# Altium PCB AJMG 2550XD Silver Jubilee - wersja prywatna.PcbDoc (part 1 of 2) (continued)
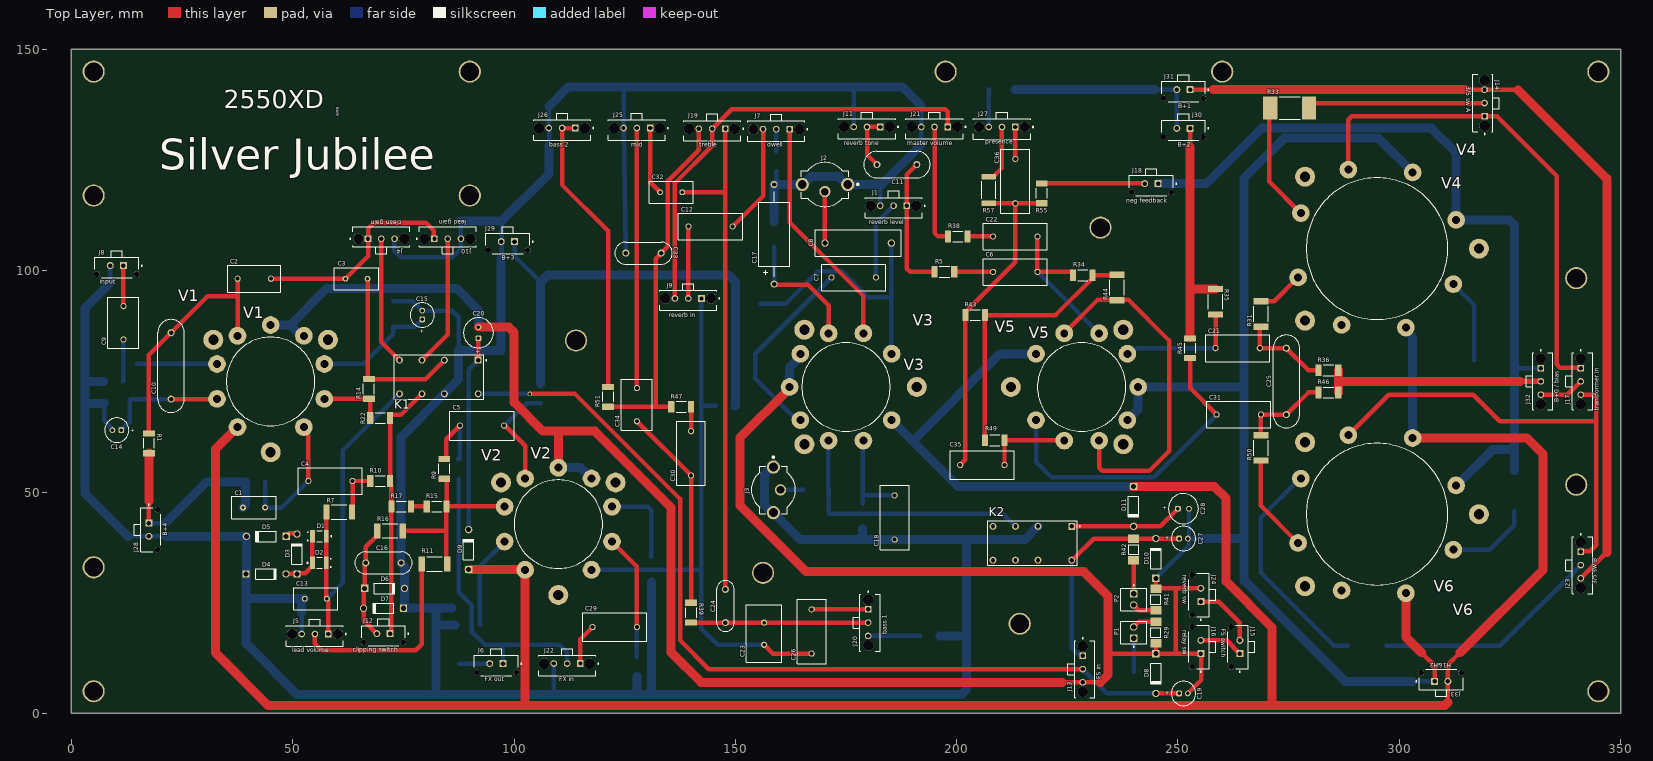
[diagram p0: Top Layer view]
## Part data (continued)
C9: library part 890303422005CS, "CAP FILM THT 10.5x6 0.047uF 630V 10%", Capacitance=47nF, Capacitance Tolerance=+/-10%, Insulation Resistance=9000MOhm, Manufacturer="Wurth Elektronik", Operating Temperature="-40 to +85degC", Rate of Voltage Rise=100V/us, Rated Voltage=630VDC, ComponentLink1Description=Manufacturer, ComponentLink1URL=http://www.we-online.de, ComponentLink2Description=Datasheet, ComponentLink2URL=https://www.we-online.com/catalog/datasheet/890303422005CS.pdf, Dissipation Factor@1kHz=1%, Dissipation Factor@10kHz=1.4%, Dissipation Factor@100kHz=2.2%, Height=12mm, Length=10.5mm, Manufacturer Part Number=890303422005CS, Mounting Technology=THT, Packaging=Carton, Pitch=7.5mm, Published Date="May 2020", Technical Reference=MPSP075473K630DCPP45004, Width=6mm
C10 C25: library part CDV19EF470JO3F, "CAP MICA THT 16.3x4.8 47pF 1kV 5%", Capacitance=47pF, Case/Package=Radial, Dielectric Material=Mica, Manufacturer="Cornell Dubilier", Max Operating Temperature=125°C, Min Operating Temperature=-55°C, Package Quantity=50, Supplier Part Number 1=598-CDV19EF470JO3F, Temperature Coefficient=100ppm/°C, Tolerance=5%, Voltage Rating=1kV, Category="Mica Capacitors", ComponentLink1Description=https://datasheet.ciiva.com/254/cd10-254226.pdf?src-supplier=Digi-Key, ComponentLink1URL=https://datasheet.ciiva.com/254/cd10-254226.pdf?src-supplier=Digi-Key, ComponentLink2Description=https://datasheet.ciiva.com/22709/1731345-22709964.pdf?src-supplier=Element14, ComponentLink2URL=https://datasheet.ciiva.com/22709/1731345-22709964.pdf?src-supplier=Element14, Features="General Purpose", Height=12.7mm, Height - Seated (Max)=0.5inch, Lead Pitch=0.343inch, Length=0.642inch, Manufacturer Part Number=CDV19EF470JO3F, Mount="Through Hole", Packaging=Bulk, Pricing 1="1=3,59000, 10=2,90000, 50=2,61000, 100=1,97000, 1000=1,56000, 10000=1,47000 (USD)", REACH SVHC="No SVHC", RoHS=Yes, RoHS Compliant=Yes, Series=CDV19, Stock 1=241, Supplier 1=Mouser, Termination=Radial, Voltage Rating (DC)=1kV, Width=0.189inch, Working Voltage=1kV
C11: library part CD19FD501JO3F, "CAP MICA THT 16.3x5 500pF 500V 5%", Capacitance=500pF, Case/Package=Radial, Dielectric Material=Mica, Manufacturer="Cornell Dubilier", Max Operating Temperature=125°C, Min Operating Temperature=-55°C, Package Quantity=50, Supplier Part Number 1=598-CD19FD501JO3F, Temperature Coefficient=70ppm/°C, Tolerance=5%, Voltage=500V, Category="Mica Capacitors", ComponentLink1Description=https://datasheet.ciiva.com/14605/70189489-14605710.pdf?src-supplier=Allied+Electronics, ComponentLink1URL=https://datasheet.ciiva.com/14605/70189489-14605710.pdf?src-supplier=Allied+Electronics, ComponentLink2Description=https://datasheet.ciiva.com/1459/87234-1459863.pdf?src-supplier=Element14, ComponentLink2URL=https://datasheet.ciiva.com/1459/87234-1459863.pdf?src-supplier=Element14, Construction=RADIAL, Features="General Purpose", Height=0.51inch, Height - Seated (Max)=0.512inch, Lead Free="Lead Free", Lead Pitch=0.343inch, Length=0.642inch, Manufacturer Part Number=CD19FD501JO3F, Mount="Through Hole,PCB", Number of Pins=2, Packaging=Bulk, Pricing 1="1=2,75000, 10=2,49000, 50=2,27000, 100=1,74000, 1000=1,47000, 10000=1,38000 (USD)", REACH SVHC="No SVHC", RoHS=Yes, RoHS Compliant=Yes, Series=CD19, Stock 1=504, Supplier 1=Mouser, Termination=Radial, Voltage Rating=500V, Voltage Rating (DC)=500V, Width=0.201inch
C14: library part UKL2AR68KDD1TA, "CAP ALUM THT D5xH11 0.68uF 100V 20%", Capacitance=680nF, Case/Package=Radial, Manufacturer=Nichicon, Max Operating Temperature=85°C, Min Operating Temperature=-40°C, Package Quantity=2000, Ripple Current=14.5mA, Supplier Part Number 1=647-UKL2AR68KDD1TA, Tolerance=20%, Voltage Rating=100V, Category="Aluminum Electrolytic Capacitors", ComponentLink1Description=http://nichicon-us.com/english/products/pdfs/e-ukl.pdf?src-supplier=Digi-Key, ComponentLink1URL=http://nichicon-us.com/english/products/pdfs/e-ukl.pdf?src-supplier=Digi-Key, Height - Seated (Max)=0.472inch, Lead Pitch=0.079inch, Life (Hours)=2000Hour, Manufacturer Part Number=UKL2AR68KDD1TA, Mount="Through Hole", Packaging="Tape and Reel", Polarity=Polar, Pricing 1="1=0,36000, 10=0,25000, 50=0,20500, 100=0,15000, 1000=0,09500, 10000=0,08500 (USD)", RoHS=Yes, RoHS Compliant=Yes, Supplier 1=Mouser
C15: library part 100PK10MEFC5X11, "CAP ALUM THT D5xH11 10uF 100V 20%", Capacitance=10uF, Case/Package=Radial, Leakage Current=3uA, Manufacturer=Rubycon, Max Operating Temperature=85°C, Min Operating Temperature=-40°C, Package Quantity=3000, Ripple Current=75mA, Supplier Part Number 1=232-100PK10MEFC5X11, Tolerance=20%, Voltage=100V, Category="Aluminum Electrolytic Capacitors", ComponentLink1Description=https://datasheet.ciiva.com/11691/e-pk-11691642.pdf?src-supplier=Avnet, ComponentLink1URL=https://datasheet.ciiva.com/11691/e-pk-11691642.pdf?src-supplier=Avnet, ComponentLink2Description=https://datasheet.ciiva.com/17515/e-pk-17515194.pdf?src-supplier=Avnet+Europe, ComponentLink2URL=https://datasheet.ciiva.com/17515/e-pk-17515194.pdf?src-supplier=Avnet+Europe, Construction=RADIAL, Diameter=5mm, Height=11mm, Height - Seated (Max)=0.492inch, Lead Diameter=0.5mm, Lead Pitch=2mm, Life (Hours)=2000Hour, Manufacturer Part Number=100PK10MEFC5X11, Mount="Through Hole", Packaging=Bulk, Pricing 1="1=0,25000, 10=0,17000, 50=0,17000, 100=0,05800, 1000=0,04900, 10000=0,04300 (USD)", Radiation Hardening=No, REACH SVHC="No SVHC", Ripple Current (AC)=75mA, RoHS=Yes, RoHS Compliant=Yes, Series=PK, Stock 1=2901, Supplier 1=Mouser, Termination=Radial, Voltage Rating=100V, Voltage Rating (DC)=100V
C16 C33: library part "TAD SILVER MICA CAPS", "CAP MICA THT AxB 0.002uF 500V 5%"
C17: library part TVA1306, "CAP ALUM THT AXIAL D6.35xH17.45 25uF 50V 20%", Capacitance=25uF, Case/Package=Axial, Dielectric Material=Aluminium, Manufacturer=Vishay, Max Operating Temperature=85°C, Min Operating Temperature=-40°C, Package Quantity=560, Supplier Part Number 1=75-TVA1306, Tolerance=20%, Voltage Rating=50V, Category="Aluminum Electrolytic Capacitors", ComponentLink1Description=https://datasheet.ciiva.com/11700/tvatom-11700487.pdf?src-supplier=Avnet, ComponentLink1URL=https://datasheet.ciiva.com/11700/tvatom-11700487.pdf?src-supplier=Avnet, Diameter=6.35mm, Height=17.5mm, Lead Free="Lead Free", Length=0.687inch, Manufacturer Part Number=TVA1306, Mount="Through Hole", Number of Pins=2, Packaging=Bulk, Polarity=Polar, Pricing 1="1=2,84000, 10=2,84000, 50=2,20000, 100=1,95000, 1000=1,77000, 10000=1,77000 (USD)", Radiation Hardening=No, RoHS=No, RoHS Compliant=No, Series="TVA ATOM®", Stock 1=1574, Supplier 1=Mouser, Termination=Axial, Voltage Rating (DC)=50V
C19 C27: library part 860010572003, "CAP ALUM THT D5xH11 22uF 35V 20%", Capacitance=22uF, Capacitance Tolerance=+/-20%, Leakage Current=7.7uA, Manufacturer="Wurth Elektronik", Operating Temperature="-40 to +85degC", Rated Voltage=35VDC, Ripple Current=108mA, ComponentLink1Description=Manufacturer, ComponentLink1URL=http://www.we-online.de, ComponentLink2Description=Datasheet, ComponentLink2URL=https://www.we-online.com/catalog/datasheet/860010572003.pdf, Diameter=5mm, Dissipation Factor=12%, Endurance=2000h, Height=11mm, Manufacturer Part Number=860010572003, Mounting Technology=THT, Packaging="Ammo Pack", Published Date="October 2020", Technical Reference=ATBC110220M035DSPA3B000
C20 C28: library part 860010273011, "CAP ALUM THT D6.3xH11 470uF 10V 20%", Capacitance=470uF, Capacitance Tolerance=+/-20%, Leakage Current=47uA, Manufacturer="Wurth Elektronik", Operating Temperature="-40 to +85degC", Rated Voltage=10VDC, Ripple Current=418mA, ComponentLink1Description=Manufacturer, ComponentLink1URL=http://www.we-online.de, ComponentLink2Description=Datasheet, ComponentLink2URL=https://www.we-online.com/catalog/datasheet/860010273011.pdf, Diameter=6.3mm, Dissipation Factor=19%, Endurance=2000h, Height=11mm, Manufacturer Part Number=860010273011, Mounting Technology=THT, Packaging="Ammo Pack", Published Date="October 2020", Technical Reference=ATBD110471M010DSPA4B000
C23: library part FKP2J014701I00JSSD, "CAP FILM THT 7.2x6.5 0.0047uF 630V 5%", Capacitance=4.7nF, Case/Package=Radial, Dielectric=PP, Manufacturer=WIMA, Max Operating Temperature=100°C, Min Operating Temperature=-55°C, Supplier Part Number 1=505-FKP2J014701I00JS, Tolerance=5%, Category=Uncategorized, ComponentLink1Description=http://components.arrow.com/part/dataview/0323_02828315?src-supplier=Arrow+Europe, ComponentLink1URL=http://components.arrow.com/part/dataview/0323_02828315?src-supplier=Arrow+Europe, Construction=RADIAL, Depth=6.5mm, Lead Diameter=0.5mm, Lead Pitch=5mm, Length=7.2mm, Manufacturer Part Number=FKP2J014701I00JSSD, Packaging=Bulk, Pricing 1="1=0,40000, 10=0,28800, 50=0,28800, 100=0,18900, 1000=0,12600, 10000=0,10100 (USD)", RoHS=Yes, RoHS Compliant=Yes, Stock 1=2425, Supplier 1=Mouser
C24: library part CDV16FF221JO3F, "CAP MICA THT 10.9x3.8 220pF 1kV 5%", Capacitance=220pF, Case/Package=Radial, Dielectric Material=Mica, Manufacturer="Cornell Dubilier", Max Operating Temperature=150°C, Min Operating Temperature=-55°C, Package Quantity=50, Supplier Part Number 1=598-CDV16FF221JO3F, Tolerance=5%, Voltage Rating=1kV, Category="Mica Capacitors", ComponentLink1Description=https://datasheet.ciiva.com/254/cd-cdv16-254715.pdf?src-supplier=Digi-Key, ComponentLink1URL=https://datasheet.ciiva.com/254/cd-cdv16-254715.pdf?src-supplier=Digi-Key, Height=11.7mm, Height - Seated (Max)=0.461inch, Lead Pitch=0.234inch, Length=0.429inch, Manufacturer Part Number=CDV16FF221JO3F, Mount="Through Hole", Packaging=Bulk, Pricing 1="1=2,08000, 10=1,44000, 50=1,44000, 100=1,32000, 1000=0,92500, 10000=0,76800 (USD)", RoHS=Yes, RoHS Compliant=Yes, Series=CDV16, Stock 1=797, Supplier 1=Mouser, Termination=Radial, Voltage Rating (DC)=1kV, Width=0.15inch
C34: library part 890493422002CS, "CAP FILM THT 10.5x6 0.01uF 1kV 10%", Capacitance=10nF, Capacitance Tolerance=+/-10%, Insulation Resistance=9000MOhm, Manufacturer="Wurth Elektronik", Operating Temperature="-40 to +85degC", Rate of Voltage Rise=160V/us, Rated Voltage=1000VDC, ComponentLink1Description=Manufacturer, ComponentLink1URL=http://www.we-online.de, ComponentLink2Description=Datasheet, ComponentLink2URL=https://www.we-online.com/catalog/datasheet/890493422002CS.pdf, Dissipation Factor@1kHz=1%, Dissipation Factor@10kHz=1.4%, Dissipation Factor@100kHz=2.2%, Height=12mm, Length=10.5mm, Manufacturer Part Number=890493422002CS, Mounting Technology=THT, Packaging=Carton, Pitch=7.5mm, Published Date="May 2020", Technical Reference=MPSP075103KA00DCPP45004, Width=6mm
D1 D2: "DIODE LED SMD", Colour=Yellow, Forward Current=20mA, Forward Voltage=2V, Manufacturer=Lite-On, Manufacturer Part Number=LTST-C930KSKT, Power Dissipation=75mW, Reverse Voltage=5V, Temperature="-55°C to +85°C", Temperature Range High=+85°C, Temperature Range Low=-55°C, Automotive=No, Category=Diode, ComponentLink2Description=Datasheet, ComponentLink2URL=http://optoelectronics.liteon.com/upload/download/DS22-2000-095/LTST-C930KSKT.pdf, Device Class L1=Optoelectronics, Device Class L2=LEDs, Device Class L3=unset, Digikey Description="LED YELLOW CLEAR CHIP SMD", Height=2.5mm, Lead Free=Yes, Led Orientation="Top View", Luminous Intensity=800mcd, Octopart=https://octopart.com/ltst-c930kskt-lite-on-549925, Package=LTST-C930KSKT, Peak Emmision Wavelength=588nm, RoHS=TRUE, Viewing Angle=25°, Wavelength=594.5nm
D3 D4 D5 D6 D7 D8 D9 D10 D11: "DIODE / 1.0 A Rectifier, 8 pF, 1000 V, -65 to 150 degC, 2-Pin DO-41 Plastic, RoHS, Tape and Reel", Manufacturer="Diodes Inc", Max. Average Rectified Current IO (A)=1, Operating Temperature Range (degC)="-65 to 150", ComponentLink1Description="Manufacturer URL", ComponentLink1URL=http://diodes.com/, ComponentLink2Description=Datasheet, ComponentLink2URL=http://diodes.com/datasheets/ds28002.pdf, CT (pF)=8, DatasheetVersion="Rev. 8-2", Max. IFSM (A)=30, Max. IR (uA)=5, Mounting Technology="Through Hole", PackageDescription="2-Pin Axial Lead, Body 4.635 x 2.36 mm, Lead Spread 25.4 mm", PackageReference=DO-41-P-2, Packing="Tape and Reel", PartNumber=1N4007-T, RoHS=TRUE, VF (V)=1, VRRM (V)=1000
J1 J4 J5 J7 J9 J10 J11 J13 J14 J17 J19 J20 J21 J22 J23 J25 J26 J27 J32: library part CMP-04776-000004-1, "CONN HEADER VERT 3POS 3MM", Current Rating=8.5A, Manufacturer=Molex, Package=0, Temperature="-40°C to +105°C", Temperature Range High=+105°C, Temperature Range Low=-40°C, Voltage Rating=600V, Automotive=No, Category=Conn, ComponentLink2Description=Datasheet, ComponentLink2URL=https://www.molex.com/webdocs/datasheets/pdf/en-us/0436500320_PCB_HEADERS.pdf, Conn Gender=Male, Conn Orientation=Vertical, Contact Material=Gold,Nickel, Device Class L1=Connectors, Device Class L2="Headers and Wire Housings", Device Class L3=unset, Digikey Description="CONN HEADER VERT 3POS 3MM", Footprint Url=https://www.molex.com/pdm_docs/sd/436500320_sd.pdf, Height=10.15mm, Lead Free=Yes, Manufacturer Part Number=43650-0320, Number Of Contacts=3, Number Of Rows=1, Octopart=https://octopart.com/43650-0320-molex-7670312, Pitch=3mm, RoHS=TRUE
J2 J3: "CONN RCA JACK MONO 3.2MM PCB", Body Color=Silver, Case/Package=Metal, Color=Black, Manufacturer=CUI, Supplier Part Number 1=490-RCJ-021, Body Material=Brass, Category="Audio / Video Connectors", ComponentLink1Description=https://www.cui.com/product/resource/digikeypdf/rcj-02x.pdf?src-supplier=Digi-Key, ComponentLink1URL=https://www.cui.com/product/resource/digikeypdf/rcj-02x.pdf?src-supplier=Digi-Key, Connector Type=Jack, Contact Plating=Nickel, Diameter=3.5mm, Gender=Female, Insulation Color=Black, Lead Free="Lead Free", Manufacturer Part Number=RCJ-021, Mount="Through Hole", Number of Ports=1, Orientation=Vertical, Packaging=Bulk, Pricing 1="1=0,88000, 10=0,69900, 50=0,69900, 100=0,60800, 1000=0,48600, 10000=0,48600 (USD)", RoHS=Yes, RoHS Compliant=Yes, Series=RCJ, Shielding=Shielded, Stock 1=674, Supplier 1=Mouser, Termination=Solder
J6 J8 J12 J15 J16 J18 J24 J28 J29 J30 J31 J33: library part CMP-04776-000041-1, "CONN HEADER VERT 2POS 3MM", Current Rating=8.5A, Manufacturer=Molex, Package=0, Temperature="-40°C to +105°C", Temperature Range High=+105°C, Temperature Range Low=-40°C, Voltage Rating=600V, Automotive=No, Category=Conn, ComponentLink2Description=Datasheet, ComponentLink2URL=https://www.molex.com/webdocs/datasheets/pdf/en-us/0436500229_PCB_HEADERS.pdf, Conn Gender=Male, Conn Orientation=Vertical, Contact Material=Gold,Nickel, Device Class L1=Connectors, Device Class L2="Headers and Wire Housings", Device Class L3=unset, Digikey Description="CONN HEADER VERT 2POS 3MM", Footprint Url=https://www.molex.com/pdm_docs/sd/436500229_sd.pdf, Height=10.15mm, Lead Free=Yes, Manufacturer Part Number=43650-0229, Mouser Description="Headers & Wire Housings MicroFit 3.0 SR V TH Peg 30Au 2Ckt", Number Of Contacts=2, Number Of Rows=1, Octopart=https://octopart.com/43650-0229-molex-7652326, Pitch=3mm, RoHS=TRUE
K1 K2: library part CMP-03395-000111-1, "RELAY TELECOM DPDT 3A 5V", Ambient Temperature Range High=+85°C, Ambient Temperature Range Low=-40°C, Coil Power=200mW, Coil Resistance=125Ω, Coil Voltage=5V, Current Rating=3A, Manufacturer="TE Connectivity", Automotive=No, Category=Relay, Coil Type=Non-Latching, ComponentLink2Description=Datasheet, ComponentLink2URL=https://www.te.com/usa-en/product-9-1393792-3.html?te_bu=Cor&te_type=other&te_campaign=oct_glo_cor-oct-global-oth-prtnr-fy19-oct-octo-buy-bom_sma-298_2&elqCampaignId=35216, Device Class L1=Electromechanical, Device Class L2=Relays, Device Class L3="Power Relays", Digikey Description="RELAY TELECOM DPDT 3A 5V", Height=10.9mm, Lead Free=Yes, Manufacturer Part Number=9-1393792-3, Number Of Contacts=2, Octopart=https://octopart.com/9-1393792-3-te+connectivity-41192813, Package=9-1393792-3, RoHS=TRUE, Standoff Height=0.2mm, Switching Current=3A, Throw Configuration=DPDT
P1 P2: library part CMP-2000-05537-1, "Male Header, Pitch 2.54 mm, 1 x 2 Position, Height 11.7 mm, Tail Length 3.56 mm, 0 to 75 degC, RoHS, Bulk", Current - Max=4A, Manufacturer=Molex, Operating Temperature=0°Cto+75°C, Package Description="2-Leads Header, Body 5.08 x 5.8 mm, Pitch 2.54 mm", Package Version="Rev. BC, 02/2012", PartNumber=0022272021, Voltage - Max=250V, Contact Material=Tinplatedbrass, Current Rating=4A, Datasheet URL=http://www.molex.com/pdm_docs/sd/022272021_sd.pdf, Datasheet Version="Rev. F, 06/2009", Housing material=Nylon(UL94V-0), Manufacturer URL=http://www.molex.com/, Mounting Technology=ThroughHole, No. of Positions=2, No. of Rows=1, Orientation=Vertical, Package Reference=22-27-2021, Pitch=2.54mm, Voltage Rating=250V
R1 R2 R3 R5 R8 R14 R15 R38 R39 R45 R51 R53 R55: library part CMP2010-FX-1003ELF, "RES SMD 2010 100K 1% 1W", Manufacturer=Bourns, Supplier Part Number 1=652-CMP2010-FX-1003L, Manufacturer Part Number=CMP2010-FX-1003ELF, Pricing 1="1=0,16000, 10=0,12500, 50=0,10700, 100=0,09800, 1000=0,06400, 10000=0,05900 (USD)", RoHS=Yes, Stock 1=403, Supplier 1=Mouser
R4: library part CRM2010-FX-4703ELF, "RES SMD 2010 470K 1% 1W"
R6 R13: library part CHP2512-JW-103ELF, "RES SMD 2512 10K 5% 3W", Case Code (Imperial)=2512, Case Code (Metric)=6432, Manufacturer=Bourns, Max Operating Temperature=155°C, Max Power Dissipation=3W, Min Operating Temperature=-55°C, Resistance=10kR, Resistor Type="Thick Film", Supplier Part Number 1=652-CHP2512JW103ELF, Temperature Coefficient=200ppm/°C, Tolerance=5%, Case/Package=2512, ComponentLink1Description=https://www.bourns.com/docs/product-datasheets/chp.pdf?sfvrsn=21d57df6_2&src-supplier=Digi-Key, ComponentLink1URL=https://www.bourns.com/docs/product-datasheets/chp.pdf?sfvrsn=21d57df6_2&src-supplier=Digi-Key, Features="Moisture Resistant", Manufacturer Part Number=CHP2512-JW-103ELF, Number of Terminations=2, Packaging="Tape and Reel", Pricing 1="1=0,88000, 10=0,40900, 50=0,40900, 100=0,27300, 1000=0,17400, 10000=0,16500 (USD)", RoHS=Yes, Stock 1=9815, Supplier 1=Mouser
R7 R11 R16: library part CMP2512-FX-4702ELF, "RES SMD 2512 47K 1% 1.5W", Manufacturer=Bourns, Manufacturer Part Number=CMP2512-FX-4702ELF, RoHS=Yes, Supplier 1=Mouser
R9 R19 R34 R49 R52: library part CMP2010-FX-1004ELF, "RES SMD 2010 1M 1% 1W", Manufacturer=Bourns, Supplier Part Number 1=652-CMP2010-FX-1004L, Manufacturer Part Number=CMP2010-FX-1004ELF, Pricing 1="1=0,16000, 10=0,12500, 50=0,10700, 100=0,09800, 1000=0,06400, 10000=0,05900 (USD)", RoHS=Yes, Stock 1=8904, Supplier 1=Mouser
R10 R22 R26 R32 R36 R46: library part CHV2010-FX-2203ELF, "RES SMD 2010 220K 1% 1/2W", Case Code (Imperial)=2010, Case Code (Metric)=5025, Manufacturer="Bourns JW Miller", Max Operating Temperature=155°C, Max Power Dissipation=500mW, Min Operating Temperature=-55°C, Resistance=220kR, Resistor Type="Thick Film", Supplier Part Number 1=652-CHV2010FX2203ELF, Temperature Coefficient=100ppm/°C, Tolerance=1%, Voltage Rating=3kV, Case/Package=2010, Category="Chip SMD Resistors", ComponentLink1Description=http://uk.rs-online.com/webdocs/13ff/0900766b813ff008.pdf?src-supplier=RSComponents, ComponentLink1URL=http://uk.rs-online.com/webdocs/13ff/0900766b813ff008.pdf?src-supplier=RSComponents, ComponentLink2Description=http://www.alliedelec.com/images/products/datasheets/bm/BOURNS/70479526.pdf?src-supplier=Allied+Electronics, ComponentLink2URL=http://www.alliedelec.com/images/products/datasheets/bm/BOURNS/70479526.pdf?src-supplier=Allied+Electronics, ComponentLink3Description=http://www.farnell.com/datasheets/2059762.pdf?src-supplier=Farnell, ComponentLink3URL=http://www.farnell.com/datasheets/2059762.pdf?src-supplier=Farnell, ComponentLink4Description=http://www.bourns.com/docs/Product-Datasheets/CHV.pdf?src-supplier=Digi-Key, ComponentLink4URL=http://www.bourns.com/docs/Product-Datasheets/CHV.pdf?src-supplier=Digi-Key, ComponentLink5Description=http://www.farnell.com/datasheets/2059762.pdf?src-supplier=Element14, ComponentLink5URL=http://www.farnell.com/datasheets/2059762.pdf?src-supplier=Element14, ComponentLink6Description=https://www.bourns.com/docs/Product-Datasheets/CHV.pdf?src-supplier=Digi-Key, ComponentLink6URL=https://www.bourns.com/docs/Product-Datasheets/CHV.pdf?src-supplier=Digi-Key, ComponentLink7Description=http://www.bourns.com/data/global/pdfs/CHV.pdf?src-supplier=Avnet, ComponentLink7URL=http://www.bourns.com/data/global/pdfs/CHV.pdf?src-supplier=Avnet, Depth=2.5mm, Height=0.028inch, Length=0.197inch, Manufacturer Part Number=CHV2010-FX-2203ELF, Mount="Surface Mount", Number of Terminations=2, Packaging="Cut Tape", Power Rating=500mW, Pricing 1="1=0,69000, 10=0,32000, 50=0,32000, 100=0,21400, 1000=0,13600, 10000=0,13000 (USD)", REACH SVHC="No SVHC", RoHS=Yes, RoHS Compliant=Yes, Stock 1=26763, Supplier 1=Mouser, Termination=Solder, Voltage Rating (DC)=3kV, Width=0.098inch, Working Voltage=3kV
R12: library part CMA02040X6802GB300, "RES SMD 0204 68K 2% 400mW", Case Code (Metric)=3614, Case/Package=0204, Manufacturer="Vishay Beyschlag", Max Operating Temperature=155°C, Max Power Dissipation=400mW, Min Operating Temperature=-55°C, Operating Supply Voltage=200V, Package Quantity=1, Power Rating=250mW, Resistance=68kR, Resistance Tolerance=2%, Resistor Type="Carbon Film", Supplier Part Number 1=594-CMA02040X6802GB3, Body Diameter=1.4mm, Category="Chip SMD Resistors", ComponentLink1Description=https://datasheet.ciiva.com/11811/0900766b80d9877c-11811894.pdf?src-supplier=RSComponents, ComponentLink1URL=https://datasheet.ciiva.com/11811/0900766b80d9877c-11811894.pdf?src-supplier=RSComponents, ComponentLink2Description=https://datasheet.ciiva.com/8896/cma0204-8896859.pdf?src-supplier=Avnet, ComponentLink2URL=https://datasheet.ciiva.com/8896/cma0204-8896859.pdf?src-supplier=Avnet, ComponentLink3Description=https://datasheet.ciiva.com/2501/cma0204-2501650.pdf?src-supplier=Digi-Key, ComponentLink3URL=https://datasheet.ciiva.com/2501/cma0204-2501650.pdf?src-supplier=Digi-Key, ComponentLink4Description=https://datasheet.ciiva.com/2501/cma0204-2501651.pdf?src-supplier=Digi-Key, ComponentLink4URL=https://datasheet.ciiva.com/2501/cma0204-2501651.pdf?src-supplier=Digi-Key, ComponentLink5Description=https://datasheet.ciiva.com/16887/cma0204-16887161.pdf?src-supplier=Avnet+Europe, ComponentLink5URL=https://datasheet.ciiva.com/16887/cma0204-16887161.pdf?src-supplier=Avnet+Europe, ComponentLink6Description=https://datasheet.ciiva.com/2501/cma0204-2501649.pdf?src-supplier=Digi-Key, ComponentLink6URL=https://datasheet.ciiva.com/2501/cma0204-2501649.pdf?src-supplier=Digi-Key, Construction=Cylindrical, Contact Plating=Tin, Diameter=1.4mm, Features="Automotive AEC-Q200", Lead Free="Lead Free", Length=3.6mm, Manufacturer Part Number=CMA02040X6802GB300, Military Standard=Not, Number of Pins=2, Number of Terminations=2, Packaging="Tape and Reel", Pricing 1="1=0,58000, 10=0,25800, 50=0,25800, 100=0,16500, 1000=0,10700, 10000=0,08900 (USD)", Radiation Hardening=No, RoHS=Yes, RoHS Compliant=Yes, Series=CMA, Stock 1=2857, Supplier 1=Mouser, Technology="CARBON FILM", Tolerance=2%, Voltage Rating=200V, Voltage Rating (DC)=200V, Width=3.6mm
R17 R20 R43 R47: library part CMP2010-FX-1002ELF, "RES SMD 2010 10K 1% 1W", Manufacturer=Bourns, Supplier Part Number 1=652-CMP2010-FX-1002L, Manufacturer Part Number=CMP2010-FX-1002ELF, Pricing 1="1=0,16000, 10=0,12500, 50=0,10700, 100=0,09800, 1000=0,06400, 10000=0,05900 (USD)", RoHS=Yes, Stock 1=3934, Supplier 1=Mouser
R18: library part CR2512-JW-223ELF, "RES SMD 2512 22K 5% 1W", Case/Package=2512, Manufacturer=Bourns, Max Operating Temperature=155°C, Max Power Dissipation=1W, Min Operating Temperature=-55°C, Package Quantity=4000, Resistance=22kR, Resistor Type="Thick Film", Supplier Part Number 1=652-CR2512-JW-223ELF, Temperature Coefficient=200ppm/°C, Tolerance=5%, Category="Chip SMD Resistors", ComponentLink1Description=https://datasheet.ciiva.com/29507/cr2010-29507866.pdf?src-supplier=Digi-Key, ComponentLink1URL=https://datasheet.ciiva.com/29507/cr2010-29507866.pdf?src-supplier=Digi-Key, Height=0.03inch, Length=0.248inch, Manufacturer Part Number=CR2512-JW-223ELF, Mount="Surface Mount", Number of Terminations=2, Packaging="Tape and Reel", Power Rating=1W, RoHS=Yes, RoHS Compliant=Yes, Series=CR2512, Supplier 1=Mouser, Width=0.122inch
R21: library part SMW210RJT, "RES SMD 2616 10R 5% 2W SMW2", Case Code (Imperial)=2616, Case Code (Metric)=6740, Case/Package=SMD/SMT, Insulation Resistance=10GR, Manufacturer="TE Connectivity", Max Operating Temperature=280°C, Max Power Dissipation=2W, Min Operating Temperature=-55°C, Number of Resistors=1, Resistance=10R, Resistance Tolerance=5%, Resistor Type="Power resistor", Supplier Part Number 1=571-SMW210RJT, Temperature Coefficient=200ppm/°C, Voltage Rating=300V, Category="Chip SMD Resistors", ComponentLink1Description=https://datasheet.ciiva.com/11813/0900766b8087d7f5-11813052.pdf?src-supplier=RSComponents, ComponentLink1URL=https://datasheet.ciiva.com/11813/0900766b8087d7f5-11813052.pdf?src-supplier=RSComponents, ComponentLink2Description=https://datasheet.ciiva.com/14180/wysm-data-e-14180885.pdf?src-supplier=Distrelec, ComponentLink2URL=https://datasheet.ciiva.com/14180/wysm-data-e-14180885.pdf?src-supplier=Distrelec, Depth=4mm, ELV=Compliant, Features="Flame Retardant Coating", Height=3.55mm, Length=6.7mm, Manufacturer Part Number=SMW210RJT, Mount="Surface Mount", Number of Terminations=2, Packaging="Tape and Reel", Power Rating=2W, Pricing 1="1=0,42000, 10=0,39200, 50=0,27700, 100=0,24800, 1000=0,16600, 10000=0,16600 (USD)", Radiation Hardening=No, REACH SVHC="No SVHC", RoHS=Yes, RoHS Compliant=Yes, Series="SMW, CGS", Stock 1=5602, Supplier 1=Mouser, Technology="WIRE WOUND", Termination=Solder, Tolerance=5%, Width=4mm
R23 R25: library part CR2512-JW-152ELF, "RES SMD 2512 1.5k 5% 1W", Case Code (Imperial)=2512, Case Code (Metric)=6332, Manufacturer=Bourns, Max Operating Temperature=155°C, Max Power Dissipation=1W, Min Operating Temperature=-55°C, Package Quantity=4000, Resistance=1.5kR, Resistor Type="Thick Film", Supplier Part Number 1=652-CR2512-JW-152ELF, Temperature Coefficient=200ppm/°C, Tolerance=5%, Voltage Rating=200V, Case/Package=2512, Category="Chip SMD Resistors", ComponentLink1Description=https://datasheet.ciiva.com/9123/cr2010-9123461.pdf?src-supplier=Avnet, ComponentLink1URL=https://datasheet.ciiva.com/9123/cr2010-9123461.pdf?src-supplier=Avnet, ComponentLink2Description=https://datasheet.ciiva.com/14983/cr2010-14983047.pdf?src-supplier=Digi-Key, ComponentLink2URL=https://datasheet.ciiva.com/14983/cr2010-14983047.pdf?src-supplier=Digi-Key, ComponentLink3Description=https://datasheet.ciiva.com/5583/cr2010-5583083.pdf?src-supplier=Mouser, ComponentLink3URL=https://datasheet.ciiva.com/5583/cr2010-5583083.pdf?src-supplier=Mouser, Contact Plating=Tin, Height=0.03inch, Length=0.248inch, Manufacturer Part Number=CR2512-JW-152ELF, Mount="Surface Mount", Number of Terminations=2, Packaging="Tape and Reel", Power Rating=1W, Pricing 1="1=0,34000, 10=0,15300, 50=0,15300, 100=0,08700, 1000=0,04800, 10000=0,03700 (USD)", Radiation Hardening=No, RoHS=Yes, RoHS Compliant=Yes, Series=CR2512, Stock 1=1351, Supplier 1=Mouser, Termination=SMD/SMT, Width=0.122inch
R24: library part CMP2512AFX-2701ELF, "RES SMD 2512 2.7K 1% 1.5W", Manufacturer=Bourns, Supplier Part Number 1=652-CMP2512AFX-2701L, Manufacturer Part Number=CMP2512AFX-2701ELF, RoHS=Yes, Supplier 1=Mouser
R27: library part CR2512-JW-122ELF, "RES SMD 2512 1.2k 5% 1W", Case Code (Imperial)=2512, Case Code (Metric)=6332, Manufacturer=Bourns, Max Operating Temperature=155°C, Max Power Dissipation=1W, Min Operating Temperature=-55°C, Package Quantity=4000, Resistance=1.2kR, Resistor Type="Thick Film", Supplier Part Number 1=652-CR2512-JW-122ELF, Temperature Coefficient=200ppm/°C, Tolerance=5%, Voltage Rating=200V, Case/Package=2512, Category="Chip SMD Resistors", ComponentLink1Description=https://datasheet.ciiva.com/14983/cr2010-14983045.pdf?src-supplier=Digi-Key, ComponentLink1URL=https://datasheet.ciiva.com/14983/cr2010-14983045.pdf?src-supplier=Digi-Key, Construction=Rectangular, Contact Plating=Tin, Depth=3.1mm, Height=0.03inch, Length=6.3mm, Manufacturer Part Number=CR2512-JW-122ELF, Military Standard=Not, Mount="Surface Mount", Number of Terminations=2, Packaging="Tape and Reel", Power Rating=1W, Pricing 1="1=0,40000, 10=0,17300, 50=0,17300, 100=0,10900, 1000=0,07100, 10000=0,05900 (USD)", Radiation Hardening=No, RoHS=Yes, RoHS Compliant=Yes, Series=CR2512, Stock 1=949, Supplier 1=Mouser, Termination=SMD/SMT, Width=3.2mm
R28: library part CR2512-FX-3001ELF, "RES SMD 2512 3k 1% 1W", Case Code (Imperial)=2512, Case Code (Metric)=6332, Manufacturer=Bourns, Max Operating Temperature=155°C, Max Power Dissipation=1W, Min Operating Temperature=-55°C, Package Quantity=4000, Resistance=3kR, Resistor Type="Thick Film", Supplier Part Number 1=652-CR2512-FX3001ELF, Temperature Coefficient=100ppm/°C, Tolerance=1%, Voltage Rating=200V, Case/Package=2512, Category="Chip SMD Resistors", ComponentLink1Description=https://datasheet.ciiva.com/9123/cr2010-9123081.pdf?src-supplier=Avnet, ComponentLink1URL=https://datasheet.ciiva.com/9123/cr2010-9123081.pdf?src-supplier=Avnet, Contact Plating=Tin, Height=0.03inch, Length=0.248inch, Manufacturer Part Number=CR2512-FX-3001ELF, Mount="Surface Mount", Number of Terminations=2, Packaging="Tape and Reel", Power Rating=1W, Radiation Hardening=No, RoHS=Yes, RoHS Compliant=Yes, Series=CR2512, Supplier 1=Mouser, Termination=SMD/SMT, Weight=0.001429oz, Width=0.122inch
R29 R30 R41 R42: library part CMB02070X3300GB200, "RES SMD 0207 330R 2% 1W", Case/Package=0207, Manufacturer="Vishay Beyschlag", Max Operating Temperature=155°C, Max Power Dissipation=1W, Min Operating Temperature=-55°C, Operating Supply Voltage=500V, Package Quantity=1, Resistance=330R, Resistor Type="Carbon Film", Supplier Part Number 1=594-CMB02070X3300GB2, Tolerance=2%, Category="Chip SMD Resistors", ComponentLink1Description=https://datasheet.ciiva.com/2482/cmb0207-2482449.pdf?src-supplier=Digi-Key, ComponentLink1URL=https://datasheet.ciiva.com/2482/cmb0207-2482449.pdf?src-supplier=Digi-Key, ComponentLink2Description=https://datasheet.ciiva.com/2482/cmb0207-2482450.pdf?src-supplier=Digi-Key, ComponentLink2URL=https://datasheet.ciiva.com/2482/cmb0207-2482450.pdf?src-supplier=Digi-Key, ComponentLink3Description=https://datasheet.ciiva.com/2482/cmb0207-2482451.pdf?src-supplier=Digi-Key, ComponentLink3URL=https://datasheet.ciiva.com/2482/cmb0207-2482451.pdf?src-supplier=Digi-Key, Construction=Cylindrical, Diameter=2.2mm, Features="Automotive AEC-Q200", Lead Free="Lead Free", Length=0.228inch, Manufacturer Part Number=CMB02070X3300GB200, Military Standard=Not, Number of Terminations=2, Packaging="Tape and Reel", Pricing 1="1=0,45000, 10=0,45000, 50=0,40500, 100=0,31500, 1000=0,20600, 10000=0,18800 (USD)", RoHS=Yes, RoHS Compliant=Yes, Series=CMB, Stock 1=1511, Supplier 1=Mouser